# Altium PCB MT-PowerDispatch V1.0.0.PcbDoc (part 4 of 4)
Units mm, origin at the board's own origin, x right, y up, seen from the top; angles counter-clockwise.
Board outline 253.09 x 135 mm, 2 copper layers (Top Layer, Bottom Layer); 539 components, 347 nets, 1633 pads, 620 vias.
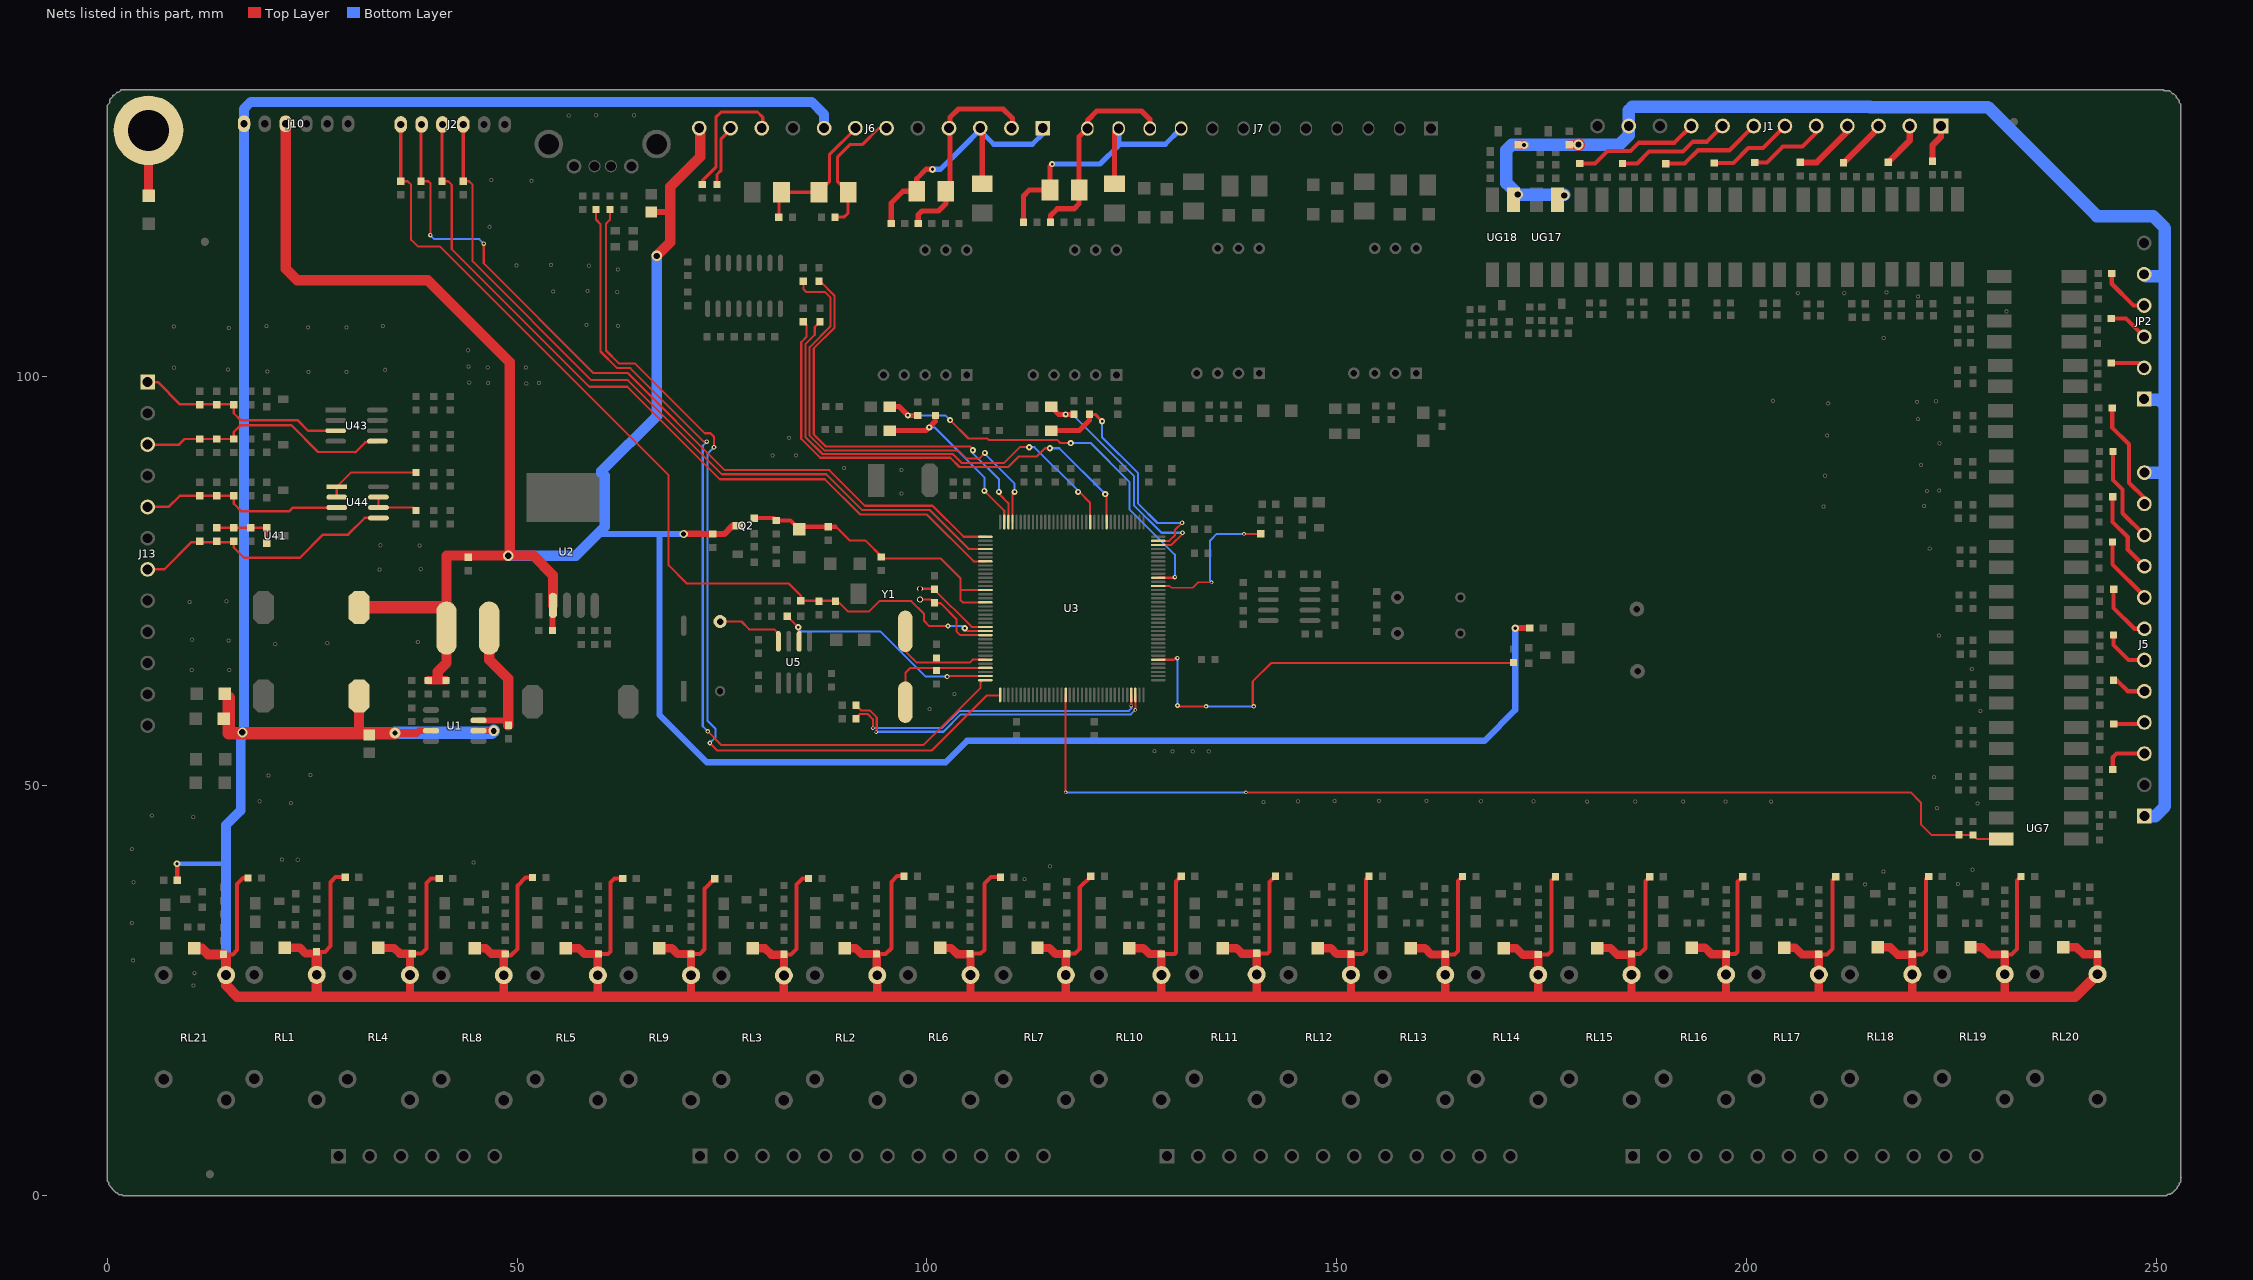
[diagram p4: the nets of this part, all layers, seen from the top]

## Via types
v1: diameter 0.762, hole 0.381, Top Layer to Bottom Layer, 340 vias
v2: diameter 0.762, hole 0.305, Top Layer to Bottom Layer, 95 vias
v3: diameter 0.508, hole 0.254, Top Layer to Bottom Layer, 48 vias
v4: diameter 0.559, hole 0.254, Top Layer to Bottom Layer, 41 vias
v5: diameter 0.406, hole 0.254, Top Layer to Bottom Layer, 24 vias
v6: diameter 0.813, hole 0.381, Top Layer to Bottom Layer, 23 vias
v7: diameter 1.27, hole 0.762, Top Layer to Bottom Layer, 9 vias
v8: diameter 0.457, hole 0.254, Top Layer to Bottom Layer, 9 vias
v9: diameter 0.508, hole 0.305, Top Layer to Bottom Layer, 6 vias
v10: diameter 0.61, hole 0.254, Top Layer to Bottom Layer, 5 vias
v11: diameter 1.016, hole 0.635, Top Layer to Bottom Layer, 3 vias
v12: diameter 0.914, hole 0.406, Top Layer to Bottom Layer, 3 vias
v13: diameter 1.067, hole 0.508, Top Layer to Bottom Layer, 2 vias
v14: diameter 0.61, hole 0.305, Top Layer to Bottom Layer, 2 vias
v15: diameter 1.27, hole 0.711, Top Layer to Bottom Layer, 2 vias
v16: diameter 1.016, hole 0.508, Top Layer to Bottom Layer, 1 vias
v17: diameter 0.559, hole 0.381, Top Layer to Bottom Layer, 1 vias
v18: diameter 0.864, hole 0.381, Top Layer to Bottom Layer, 1 vias
v19: diameter 1.321, hole 0.66, Top Layer to Bottom Layer, 1 vias
v20: diameter 1.397, hole 0.762, Top Layer to Bottom Layer, 1 vias
v21: diameter 1.143, hole 0.635, Top Layer to Bottom Layer, 1 vias
v22: diameter 1.2, hole 0.8, Top Layer to Bottom Layer, 1 vias
v23: diameter 0.92, hole 0.45, Top Layer to Bottom Layer, 1 vias

## Nets (pads, with @x,y where several pads share a name; then routed paths per layer and width w, separated by ;. In a path a pad name is that pad's centre, name@x,y a point inside that pad or via, vN(x,y) a via of type N, cw(c..) or ccw(c..) an arc to the next point about the centre after c; other vN are vias at no path point) (continued)
NetR209_2: R209.2 U44.1 U44.2 | length 11.7
  Top Layer w0.254: U44.2@27.985,85.249 U44.1@27.985,86.519 29.731,88.265 37.639,88.265 R209.2@37.643,88.261
NetR211_1: R211.1 R212.2 R213.2 U41.1 U41.3 | length 8
  Top Layer w0.3: R212.2@13.328,81.506 R213.2@15.405,81.506 R211.1@17.481,81.506 19.43,81.506 U41.1@19.44,81.496 U41.3@19.44,79.591
NetR214_2: R214.2 U44.6 U44.7 | length 6
  Top Layer w0.254: U44.7@33.065,85.249 U44.6@33.065,83.979 37.294,83.979 R214.2@37.643,83.629
NetSW1_2: SW1.2 U5.8 | length 8.7
  Top Layer w0.254: SW1.2@74.758,70.068 77.366,70.068 78.314,69.12 81.362,69.12 81.87,68.612 U5.8@81.87,67.655
nRST: C28.2 J2.1 R21.2 R26.1 R27.2 U3.24 | length 113.3
  Top Layer w0.254: R26.1@35.794,123.793 36.62,123.793 37.064,123.349 37.064,116.657 37.871,115.849 40.557,115.849 68.471,87.935 68.471,76.93 70.694,74.708 83.14,74.708 84.6,73.247 R27.2@84.6,72.608 88.791,72.608 C28.2@88.855,72.545 89.113,72.545 90.379,71.279 92.919,71.279 94.189,72.549 98.082,72.549 99.65,70.981 99.65,70.136 100.285,69.501 v10(102.571,69.501) ; v2(104.603,69.247) 104.94,68.91 U3.24@107.134,68.91
  Top Layer w0.381: R26.1@35.794,123.793 J2.1@35.794,130.734
  Bottom Layer w0.254: v10(102.571,69.501) 104.349,69.501 v2(104.603,69.247)
PE: C154.2 pad.0 | length 8
  Top Layer w1.143: pad.0@5,130 5,122.076 C154.2@5.029,122.047
RTCK1: C45.1 U3.23 Y1.1 | length 9.9
  Top Layer w0.254: Y1.1@99.142,74.073 100.793,74.073 105.456,69.41 U3.23@107.134,69.41
RTCK2: C47.1 U3.25 Y1.2 | length 10.7
  Top Layer w0.254: Y1.2@99.167,72.752 100.463,72.752 100.92,72.295 101.669,72.295 103.587,70.377 103.587,68.866 104.043,68.41 U3.25@107.134,68.41
RUN: R29.1 U3.96 | length 18.6
  Top Layer w0.2: U3.96@128.234,74.41 129.628,74.41 129.845,74.193 132.436,74.193 133.096,74.854 v8(134.747,74.854)
  Top Layer w0.254: v8(138.69,80.772) 138.696,80.766 R29.1@140.722,80.766 R29.1@140.715,80.772
  Bottom Layer w0.254: v8(134.747,74.854) 134.549,75.051 134.549,79.934 135.388,80.772 v8(138.69,80.772)
RUN_BUZZER: R110.2 U3.78 | length 53.5
  Top Layer w0.27: U3.78@128.234,65.41 130.124,65.41 130.322,65.608 v4(130.556,65.608) ; v4(130.581,59.817) 130.683,59.715 v4(134.061,59.715) ; v4@139.954,59.792 139.802,59.792 139.751,59.842 139.751,62.763 142.003,65.016 171.531,65.016 R110.2@171.577,65.062
  Bottom Layer w0.27: v4(130.581,59.817) v4@130.581,65.583 ; v4(134.061,59.715) v4(139.878,59.715) v4@139.954,59.792
SGND: C112.2 C113.2 J1.11 J5.1 J5.12 JP2.1 JP2.5 UG17.3 UG18.3 | length 185.8
  Top Layer w1.016: C113.2@172.141,128.257 172.834,128.257 v16(172.872,128.219) ; C112.2@178.39,128.257 v7@179.514,128.257
  Top Layer w1.524: v7(179.502,128.27) v7@179.514,128.257
  Bottom Layer w1.524: v7@177.775,122.174 v7(172.11,122.174) 170.713,123.571 170.713,127.61 171.374,128.27 v7(179.502,128.27) 184.506,128.27 185.649,129.413 J1.11@185.649,130.531 185.649,132.461 186.08,132.893 215.062,132.893 215.113,132.842 229.464,132.842 242.773,119.532 249.631,119.532 251.079,118.085 251.079,111.735 ; JP2.1@248.539,97.209 248.593,97.155 250.368,97.155 251.079,96.444 ; JP2.5@248.539,112.449 248.796,112.192 250.622,112.192 251.079,111.735 ; J5.1@248.564,46.33 249.911,46.33 251.079,47.498 251.079,96.444 ; J5.12@248.564,88.24 251.054,88.24 251.079,88.265 ; 251.079,96.444 251.079,111.735
  other v7: 177.775,122.072
STOP_TEST: C105.1 R115.2 U3.53 UG7.4 | length 130
  Top Layer w0.254: v5@116.934,49.237 U3.53@116.934,61.11 ; v5@138.929,49.239 v5(138.915,49.225) 220.04,49.225 221.285,47.981 221.285,45.339 222.58,44.044 227.622,44.044 C105.1@227.66,44.005 228.116,43.55 UG7.4@231.085,43.55
  Bottom Layer w0.254: v5(116.922,49.225) v5(138.915,49.225)
sw0: C17.1 L1.1 U1.3 | length 16.4
  Top Layer w0.762: U1.3@45.243,57.995 48.831,57.995
  Top Layer w1.27: L1.1@46.573,69.266 46.573,65.421 48.926,63.068 C17.1@48.926,57.423
TCK: J2.3 R30.1 U3.7 | length 97.1
  Top Layer w0.254: R30.1@40.832,123.793 41.573,123.793 42.017,123.349 42.017,115.514 58.814,98.717 63.436,98.717 74.727,87.427 87.554,87.427 91.846,83.134 99.99,83.134 105.715,77.41 U3.7@107.134,77.41
  Top Layer w0.381: R30.1@40.832,123.793 40.832,130.692 J2.3@40.874,130.734
TDO: J2.2 R137.1 U3.1 | length 99
  Top Layer w0.254: R137.1@38.25,123.793 39.16,123.793 39.395,123.558 v4(39.395,117.221) ; v4(45.923,116.18) 45.923,113.767 59.296,100.393 63.487,100.393 75.336,88.544 88.087,88.544 92.431,84.201 100.686,84.201 104.477,80.41 U3.1@107.134,80.41
  Top Layer w0.381: R137.1@38.25,123.793 38.25,130.649 J2.2@38.334,130.734
  Bottom Layer w0.254: v4(39.395,117.221) 39.878,116.738 45.364,116.738 v4(45.923,116.18)
TEMP_C: C140.2 J13.1 R197.1 R198.1 U43.3 | length 26
  Top Layer w0.3: J13.1@4.902,99.289 6.147,99.289 8.865,96.571 15.351,96.571 R198.1@15.405,96.517 15.405,95.479 16.243,94.64 23.19,94.64 24.479,93.351 U43.3@27.858,93.351
TEMP_D: C142.2 J13.3 R202.1 R203.1 U43.5 | length 31.4
  Top Layer w0.3: J13.3@4.902,91.669 8.738,91.669 9.409,92.34 R202.1@13.328,92.34 R203.1@15.405,92.34 15.405,93.18 16.231,94.005 17.07,94.005 17.095,94.031 22.428,94.031 25.705,90.754 30.226,90.754 30.251,90.729 31.471,91.948 32.804,91.948 U43.5@32.938,92.081
TEMP_E: C146.2 J13.5 R207.1 R208.1 U44.3 | length 25.2
  Top Layer w0.3: J13.5@4.902,84.049 7.468,84.049 8.826,85.407 C146.2@11.252,85.407 15.404,85.407 R208.1@15.405,85.409 15.405,84.468 16.358,83.515 22.168,83.515 22.631,83.979 U44.3@27.985,83.979
TEMP_F: C147.2 J13.7 R212.1 R213.1 U44.5 | length 32.9
  Top Layer w0.3: J13.7@4.902,76.429 6.934,76.429 10.262,79.756 15.306,79.756 R213.1@15.405,79.855 15.405,79.109 16.662,77.851 23.495,77.851 26.314,80.67 29.362,80.67 31.401,82.709 U44.5@33.065,82.709
TMS: J2.4 R31.1 U3.4 | length 94.7
  Top Layer w0.254: R31.1@43.414,123.793 44.113,123.793 44.557,123.349 44.557,114.015 59.042,99.53 63.487,99.53 74.981,88.036 87.732,88.036 92.1,83.668 100.381,83.668 105.138,78.91 U3.4@107.134,78.91
  Top Layer w0.381: R31.1@43.414,123.793 J2.4@43.414,130.734
U0-RX: J6.11 R138.2 | length 7.6
  Top Layer w0.381: R138.2@74.377,123.412 74.377,124.619 74.885,125.127 74.885,128.964 J6.11@76.155,130.234
U0-RXD: R40.1 U3.142 | length 51.6
  Top Layer w0.254: R40.1@86.823,111.601 86.97,111.601 88.728,109.843 88.728,105.938 86.188,103.398 86.188,92.898 87.665,91.421 105.289,91.421 105.619,91.091 v2(105.619,90.964) ; v2(108.794,85.884) 108.794,85.64 109.937,84.497 109.937,82.213 U3.142@109.934,82.21
  Bottom Layer w0.254: v2(105.619,90.964) 105.619,90.837 105.492,90.71 108.794,87.408 v2(108.794,85.884)
U0-TX: J6.10 R139.2 | length 16.5
  Top Layer w0.381: R139.2@72.599,123.412 72.599,123.857 74.25,125.508 74.25,131.604 74.885,132.239 79.33,132.239 79.965,131.604 J6.10@79.965,130.234
U0-TXD: R43.1 U3.141 | length 55.6
  Top Layer w0.254: R43.1@84.918,111.601 84.918,110.649 85.299,110.268 87.585,110.268 88.22,109.633 88.22,106.077 85.68,103.537 85.68,92.76 87.476,90.964 103.841,90.964 104.857,89.948 106.376,89.948 107.074,90.646 v2(107.079,90.646) ; U3.141@110.434,82.21 110.464,82.24 110.464,85.649 v2(110.699,85.884)
  Bottom Layer w0.254: v2(107.079,90.646) 107.016,90.583 110.699,86.9 v2(110.699,85.884)
U1-RX: J6.7 R37.2 TVS6.2 TVS8.2 | length 17.3
  Top Layer w0.381: R37.2@81.933,119.412 81.933,121.761 82.632,122.46 86.819,122.46 TVS8.2@86.825,122.454 88.093,123.721 88.093,127.032 91.295,130.234 J6.7@91.395,130.234
U1-TX: J6.6 R45.2 TVS8.1 | length 16.7
  Top Layer w0.381: R45.2@88.791,119.412 89.871,119.412 90.381,119.922 TVS8.1@90.381,122.454 89.109,123.726 89.109,126.778 90.633,128.302 92.157,128.302 94.089,130.234 J6.6@95.205,130.234
U1_RXD: D5.2 R34.1 U3.106 | length 29
  Top Layer w0.254: U3.106@128.234,79.41 129.809,79.41 v4@131.14,80.741
  Top Layer w0.635: D5.2@115.144,96.298 116.096,95.345 v2(116.922,95.345) R34.1@117.938,95.345
  Bottom Layer w0.254: v2(116.922,95.345) 117.747,95.345 125.247,87.845 125.247,84.277 128.626,80.899 v4(131.191,80.899)
U1_TXD: D6.2 R32.1 U3.107 | length 30.2
  Top Layer w0.254: U3.107@128.234,79.91 129.573,79.91 130.277,80.614 130.277,81.255 v4(131.14,82.118)
  Top Layer w0.381: R32.1@119.843,95.345 120.541,95.345 v2(121.367,94.52)
  Top Layer w0.635: D6.2@115.146,93.368 118.581,93.368 119.843,94.63 R32.1@119.843,95.345
  Bottom Layer w0.254: v2(121.367,94.52) 121.367,93.25 121.367,92.558 125.781,88.144 125.781,84.455 128.143,82.093 131.115,82.093 v4(131.14,82.118)
U2_RXD: R141.2 U3.70 | length 39.6
  Top Layer w0.254: R141.2@91.331,59.849 91.947,59.233 93.02,59.233 93.877,58.376 93.877,56.635 v5(93.808,56.566) ; v5(125.434,59.287) U3.70@125.434,61.11
  Bottom Layer w0.254: v5(93.808,56.566) 93.859,56.617 102.017,56.617 104.144,58.744 124.891,58.744 v5(125.434,59.287)
U2_TXD: R140.2 U3.69 | length 38.1
  Top Layer w0.254: R140.2@91.331,58.198 91.204,58.198 91.807,58.801 92.741,58.801 93.395,58.147 v5(93.395,57.055) ; v5(124.934,59.806) U3.69@124.934,61.11
  Bottom Layer w0.254: v5(93.395,57.055) 95.713,57.055 101.809,57.055 103.91,59.157 124.618,59.157 124.934,59.472 v5(124.934,59.806)
U3_485A: J6.2 J6.4 R11.2 TVS2.2 | length 25.5
  Top Layer w0.635: R11.2@98.951,118.65 98.951,119.729 99.396,120.174 101.428,120.174 102.317,121.063 TVS2.2@102.317,122.587 102.825,123.095 102.825,130.234 102.825,131.604 103.841,132.62 109.302,132.62 110.445,131.477 J6.2@110.445,130.234
U3_485B: J6.1 J6.3 R14.2 TVS1.2 TVS2.1 | length 34.7
  Top Layer w0.635: R14.2@95.649,118.65 95.649,121.126 97.11,122.587 TVS2.1@98.761,122.587 98.761,124.111 99.904,125.254 v18(100.666,125.254) ; J6.3@106.635,130.234 106.755,130.113 TVS1.2@106.755,123.474
  Bottom Layer w0.635: v18(100.666,125.254) 101.655,125.254 104.322,127.921 106.635,130.234 106.635,129.826 108.159,128.302 112.858,128.302 114.255,129.699 J6.1@114.255,130.234
U3_RXD: R42.1 U3.122 | length 57.1
  Top Layer w0.254: R42.1@86.95,106.648 86.315,106.013 86.315,105.061 85.172,103.918 85.172,92.592 87.257,90.507 103.155,90.507 104.273,89.389 109.379,89.389 111.335,91.345 v2(112.477,91.345) ; v2(118.446,85.884) 118.573,85.884 119.904,84.553 119.904,82.24 U3.122@119.934,82.21
  Bottom Layer w0.254: v2(112.477,91.345) 113.112,91.345 118.573,85.884 v2(118.446,85.884)
U3_TXD: R44.1 U3.118 | length 60
  Top Layer w0.254: R44.1@84.918,106.648 85.299,106.267 85.299,104.807 84.664,104.172 84.664,92.361 86.975,90.05 102.85,90.05 103.968,88.932 109.914,88.932 111.184,90.202 113.391,90.202 114.407,91.218 v2(115.017,91.218) ; v2(121.748,85.63) 121.904,85.474 121.904,82.24 U3.118@121.934,82.21
  Bottom Layer w0.254: v2(115.017,91.218) 116.16,91.218 v2(121.748,85.63)
U4_485A: J7.10 J7.12 R28.2 TVS4.2 | length 25.1
  Top Layer w0.635: R28.2@115.08,118.777 115.08,119.602 115.906,120.428 117.938,120.428 118.571,121.061 TVS4.2@118.571,122.72 118.571,129.216 J7.12@119.589,130.234 119.589,131.223 120.732,132.366 126.193,132.366 127.209,131.35 J7.10@127.209,130.234
U4_485B: J7.9 J7.11 R35.2 TVS3.2 TVS4.1 | length 36.7
  Top Layer w0.635: R35.2@111.778,118.777 111.778,122.015 112.483,122.72 TVS4.1@115.015,122.72 115.015,125.633 v2(115.271,125.889) ; TVS3.2@122.884,123.474 122.884,129.72 J7.11@123.399,130.234
  Bottom Layer w0.635: v2(115.271,125.889) 121.113,125.889 123.399,128.175 123.399,128.556 ; J7.11@123.399,130.234 123.399,128.556 ; J7.9@131.019,130.234 129.087,128.302 123.653,128.302 123.399,128.556
U4_RXD: D3.2 R13.1 U3.98 | length 50.2
  Top Layer w0.254: v2(102.825,94.647) 105.069,92.403 107.366,92.403 107.535,92.234 115.906,92.234 116.287,91.853 v2(117.557,91.853) ; U3.98@128.234,75.41 130.172,75.41 v4(130.251,75.489)
  Top Layer w0.635: D3.2@95.459,96.298 96.602,96.298 v2(97.681,95.218) R13.1@98.888,95.218
  Bottom Layer w0.254: v2(97.681,95.218) 102.253,95.218 v2(102.825,94.647) ; v2(117.557,91.853) 119.97,91.853 124.707,87.115 124.707,83.776 130.251,78.232 v4(130.251,75.489)
U4_TXD: D4.2 R12.1 U3.143 | length 22.5
  Top Layer w0.254: 101.047,94.52 R12.1@101.047,95.218 ; v2(107.016,86.011) 109.434,83.593 U3.143@109.434,82.21
  Top Layer w0.635: D4.2@95.461,93.368 99.895,93.368 v2(100.285,93.758) 101.047,94.52
  Bottom Layer w0.254: v2(100.285,93.758) 100.92,93.758 107.016,87.662 v2(107.016,86.011)
USBD2+: R217.2 U3.36 | length 109.2
  Top Layer w0.254: R217.2@59.614,120.358 59.614,119.126 60.173,118.567 60.173,103.022 62.205,100.99 63.805,100.99 72.771,92.024 v4(73.127,92.024) ; v4(73.254,56.667) 74.93,54.991 99.568,54.991 106.553,61.976 106.553,62.687 106.776,62.91 U3.36@107.134,62.91
  Bottom Layer w0.254: v4(73.127,92.024) 72.644,91.542 72.644,57.277 v4(73.254,56.667)
USBD2-: R216.2 U3.37 | length 112
  Top Layer w0.254: R216.2@61.316,120.358 61.316,119.101 60.833,118.618 60.833,103.149 62.408,101.575 64.364,101.575 72.898,93.04 73.584,93.04 74.016,92.608 v4(74.016,91.338) ; v4(73.508,55.245) 74.422,54.331 100.609,54.331 107.315,61.036 108.86,61.036 U3.37@108.934,61.11
  Bottom Layer w0.254: v4(73.508,55.245) 74.219,55.956 74.219,56.972 74.193,56.972 73.228,57.937 73.228,90.551 v4(74.016,91.338)
VA3.3: C42.1 C43.1 C44.1 Q2.3 R57.2 U3.14 U3.17 | length 37.3
  Top Layer w0.254: 88.855,81.629 88.906,81.629 90.558,79.978 92.475,79.978 94.697,77.756 101.682,77.756 104.095,75.343 104.095,73.819 ; U3.17@107.134,72.41 104.361,72.41 104.095,72.676 104.095,73.819 ; U3.14@107.134,73.91 104.186,73.91 104.095,73.819
  Top Layer w0.508: Q2.3@78.949,82.696 81.311,82.696 R57.2@81.616,82.391 83.33,82.391 C44.1@84.41,81.312 84.727,81.629 C42.1@87.966,81.629 88.855,81.629
VDD5V: C19.2 C20.2 DC2.1 F1.1 J6.12 J10.3 L1.2 Q2.2 R2.1 R4.1 R55.2 R220.2 U2.2 | length 352.3
  Top Layer w0.762: R2.1@54.298,68.961 54.298,71.966 U2.2@54.365,72.033 ; F1.1@66.345,120.04 68.662,120.04 68.687,120.015 ; v11(70.307,80.747) 70.307,80.772 72.446,80.772 72.478,80.74 R55.2@73.869,80.74 75.26,80.74 76.276,81.757 Q2.2@76.917,81.757 ; v23(171.806,69.24) 171.856,69.291 R220.2@173.546,69.291
  Top Layer w1.016: C19.2@39.147,62.884 R4.1@41.306,62.884
  Top Layer w1.27: J10.3@21.742,130.81 21.742,113.132 23.139,111.735 39.065,111.735 49.078,101.721 49.078,78.283 v7@48.927,78.131 ; 40.315,63.449 40.315,63.957 41.373,65.015 L1.2@41.373,69.266 41.373,72.111 41.373,78.097 ; 41.407,78.131 v7@48.927,78.131 ; v7(48.901,78.105) v7@48.927,78.131 ; U2.2@54.365,72.033 54.365,75.714 51.948,78.131 v7@48.927,78.131 ; v7(67.031,114.681) 68.687,116.338 68.687,120.015 68.687,123.139 72.345,126.797 J6.12@72.345,130.234
  Top Layer w1.524: DC2.1@30.708,71.781 41.044,71.781 L1.2@41.373,72.111
  Bottom Layer w0.762: 60.071,81.026 60.35,80.747 67.361,80.747 ; v11(70.307,80.747) 67.361,80.747 ; v23(171.806,69.24) 171.806,59.284 168.046,55.524 104.902,55.524 102.286,52.908 73.127,52.908 67.361,58.674 67.361,80.747
  Bottom Layer w1.27: v7(48.901,78.105) 57.15,78.105 60.071,81.026 60.668,81.623 60.668,87.854 60.274,88.248 60.274,88.392 67.069,95.186 67.031,95.225 v7(67.031,114.681)
VDD12V: C18.2 C49.1 C50.1 C51.2 C52.2 C58.1 C59.1 C60.2 C79.1 C84.2 C85.2 C86.2 C93.1 C95.2 C106.2 C107.2 C124.2 C125.2 C127.2 C128.2 C131.2 C148.2 D1.2 D2.2 D12.2 D13.2 D14.2 D15.2 D16.2 D17.2 D18.2 D19.2 D20.2 D21.2 D22.2 D23.2 D24.2 D25.2 D26.2 D27.2 D28.2 D29.2 D30.2 D31.2 D32.2 DC1.1 J6.8 J10.1 R60.2 R61.2 R62.2 R63.2 R64.2 R81.2 R93.2 R94.2 R95.2 R96.2 R121.2 R122.2 R131.2 R132.2 R135.2 R143.2 R147.2 R155.2 R158.2 R161.2 R221.2 RL1.2 RL2.2 RL3.2 RL4.2 RL5.2 RL6.2 RL7.2 RL8.2 RL9.2 RL10.2 RL11.2 RL12.2 RL13.2 RL14.2 RL15.2 RL16.2 RL17.2 RL18.2 RL19.2 RL20.2 RL21.2 U1.2 U1.7 | length 887.4
  Top Layer w0.5: C148.2@14.148,29.451 15.303,29.451 15.824,29.972 15.824,38.049 16.542,38.767 R60.2@17.151,38.767 ; C49.1@25.507,29.756 26.53,29.756 27.229,30.455 27.229,38.252 27.845,38.869 R62.2@29,38.869 ; C52.2@37.191,29.534 38.297,29.534 38.913,30.15 38.913,38.151 39.478,38.716 R96.2@40.481,38.716 ; C86.2@48.362,29.325 49.213,29.325 50.013,30.124 50.013,37.821 51.035,38.843 R93.2@51.86,38.843 ; C79.1@59.924,29.509 61.081,29.509 61.366,29.794 61.366,38.227 61.856,38.716 R121.2@62.883,38.716 ; C106.2@71.202,29.509 72.308,29.509 72.873,30.074 72.873,37.453 R63.2@74.11,38.691 ; C51.2@82.556,29.413 83.394,29.413 84.074,30.093 84.074,37.973 84.817,38.716 R61.2@85.54,38.716 ; C50.1@93.859,29.509 94.964,29.509 95.656,30.201 95.656,38.278 96.374,38.996 R94.2@97.199,38.996 ; C84.2@105.263,29.534 106.547,29.534 107.01,29.997 107.01,38.075 107.804,38.869 R95.2@108.984,38.869 ; C85.2@117.049,29.534 118.078,29.534 118.643,30.099 118.643,37.606 R122.2@120.008,38.97 ; C107.2@128.58,29.509 130.245,29.509 130.404,29.667 130.404,38.361 R131.2@131.032,38.989 ; C93.1@140.239,29.578 141.567,29.578 141.808,29.82 141.808,38.259 R132.2@142.538,38.989 ; C95.2@151.745,29.477 153.149,29.477 153.568,29.896 153.568,38.615 R64.2@153.942,38.989 ; C128.2@163.251,29.451 164.376,29.451 164.795,29.87 164.795,38.412 R135.2@165.347,38.964 ; C127.2@174.605,29.426 175.781,29.426 176.225,29.87 176.225,38.463 R143.2@176.701,38.938 ; C59.1@185.984,29.502 186.982,29.502 187.681,30.201 187.681,38.412 R81.2@188.207,38.938 ; C125.2@197.541,29.477 198.641,29.477 198.933,29.769 198.933,38.31 R147.2@199.561,38.938 ; C124.2@208.844,29.451 209.842,29.451 210.49,30.099 210.49,38.513 R155.2@210.915,38.938 ; C58.1@220.249,29.451 221.424,29.451 221.92,29.947 221.92,38.64 R158.2@222.243,38.964 ; C131.2@231.527,29.451 232.372,29.451 233.045,30.124 233.045,38.488 R161.2@233.521,38.964
  Top Layer w0.508: v6(8.484,40.513) 8.522,40.475 R221.2@8.522,38.506
  Top Layer w0.762: 37.699,56.471 37.972,56.744 U1.7@39.473,56.744 ; U1.2@45.273,56.744 47.129,56.744 v15(47.148,56.725)
  Top Layer w1: v19(35.083,56.471) 37.699,56.471
  Top Layer w1.016: D12.2@21.659,30.258 23.469,30.258 24.167,29.559 C49.1@25.533,29.559 ; 26.702,56.464 26.702,56.49 ; D15.2@33.064,30.233 34.975,30.233 35.673,29.534 C52.2@37.191,29.534 ; 36.909,24.33 RL4.2@36.909,26.931 C52.2@36.909,29.252 ; D20.2@44.799,30.207 46.151,30.207 46.849,29.509 C86.2@48.545,29.509 48.362,29.325 RL8.2@48.362,26.905 48.362,24.313 ; D17.2@55.924,30.207 57.505,30.207 58.222,29.489 C79.1@59.905,29.489 ; 59.84,24.426 RL5.2@59.84,26.905 C79.1@59.84,29.424 ; D21.2@67.328,30.207 68.858,30.207 69.576,29.489 C106.2@71.202,29.489 ; RL9.2@71.202,26.919 C106.2@71.202,29.489 ; C106.2@71.202,29.509 C106.2@71.202,29.489 ; 71.216,24.424 RL9.2@71.216,26.905 ; D14.2@78.746,30.182 80.238,30.182 81.006,29.413 82.556,29.413 RL3.2@82.556,26.894 ; 82.541,24.37 RL3.2@82.541,26.88 ; D13.2@89.985,30.207 91.287,30.207 92.004,29.489 C50.1@93.859,29.489 ; RL2.2@93.859,26.99 C50.1@93.859,29.489 ; C50.1@93.859,29.509 C50.1@93.859,29.489 ; 93.943,24.316 RL2.2@93.943,26.905 ; D18.2@101.644,30.233 102.945,30.233 103.714,29.464 C84.2@105.263,29.464 ; 105.32,24.364 RL6.2@105.32,26.931 C84.2@105.32,29.478 ; D19.2@113.493,30.233 114.959,30.233 115.703,29.489 117.004,29.489 C85.2@117.049,29.534 ; 116.95,24.412 RL7.2@116.95,26.931 C85.2@116.95,29.435 ; D22.2@124.707,30.207 126.415,30.207 127.133,29.489 128.561,29.489 C107.2@128.58,29.509 ; 128.606,24.308 RL10.2@128.606,26.931 C107.2@128.606,29.483 ; D23.2@136.111,30.207 137.769,30.207 138.436,29.54 C93.1@140.239,29.54 ; 140.239,24.409 RL11.2@140.239,26.981 C93.1@140.239,29.54 ; C93.1@140.239,29.578 C93.1@140.239,29.54 ; D16.2@147.668,30.201 149.281,30.201 149.993,29.489 151.733,29.489 C95.2@151.745,29.477 RL12.2@151.745,26.956 151.745,24.359 ; D24.2@159.022,30.201 160.762,30.201 161.524,29.439 C128.2@163.251,29.439 ; 163.251,24.282 RL13.2@163.251,26.956 C128.2@163.251,29.439 ; C128.2@163.251,29.451 C128.2@163.251,29.439 ; D25.2@170.401,30.201 171.913,30.201 172.726,29.388 C127.2@174.605,29.388 ; 174.605,24.308 RL14.2@174.605,26.956 C127.2@174.605,29.388 ; C127.2@174.605,29.426 C127.2@174.605,29.388 ; D26.2@181.806,30.226 183.419,30.226 184.232,29.413 C59.1@185.984,29.413 ; 185.984,24.333 RL15.2@185.984,26.956 C59.1@185.984,29.413 ; C59.1@185.984,29.502 C59.1@185.984,29.413 ; D27.2@193.338,30.277 194.925,30.277 195.738,29.464 197.529,29.464 C125.2@197.541,29.477 ; 197.516,24.562 RL16.2@197.516,26.981 C125.2@197.516,29.451 ; D28.2@204.641,30.277 205.949,30.277 206.787,29.439 C124.2@208.844,29.439 ; 208.844,24.359 RL17.2@208.844,26.981 C124.2@208.844,29.439 ; C124.2@208.844,29.451 C124.2@208.844,29.439 ; D29.2@216.02,30.302 217.557,30.302 218.446,29.413 C58.1@220.249,29.413 ; 220.249,24.333 RL18.2@220.249,27.007 C58.1@220.249,29.413 ; C58.1@220.249,29.451 C58.1@220.249,29.413 ; D30.2@227.348,30.302 228.783,30.302 229.647,29.439 C131.2@231.527,29.439 ; 231.527,24.359 RL19.2@231.527,27.032 C131.2@231.527,29.439 ; C131.2@231.527,29.451 C131.2@231.527,29.439 ; D31.2@238.651,30.302 240.315,30.302 241.141,29.477 C60.2@242.855,29.477 RL20.2@242.855,27.032
  Top Layer w1.2: D32.2@10.604,30.175 11.532,30.175 12.255,29.451 C148.2@14.148,29.451 14.478,29.121 RL21.2@14.478,26.924 ; DC1.1@30.708,60.986 30.708,56.49 30.734,56.464
  Top Layer w1.27: RL21.2@14.478,26.924 14.478,25.654 15.85,24.282 25.654,24.282 ; C49.1@25.533,29.559 RL1.2@25.533,26.956 25.533,24.404 25.654,24.282 ; RL20.2@242.855,27.032 240.105,24.282 163.251,24.282 25.654,24.282
  Top Layer w1.524: D1.2@14.782,60.795 14.782,56.464 26.702,56.464 30.734,56.464 v19@35.076,56.464
  Bottom Layer w0.508: v6(8.484,40.513) 14.478,40.513
  Bottom Layer w1.2: RL21.2@14.478,26.924 14.478,40.513 14.478,45.237 16.256,47.015 16.256,55.88 16.84,56.464 16.815,56.464 16.662,56.617 J10.1@16.662,130.81 16.662,132.639 17.475,133.452 21.615,133.452 21.641,133.477 85.954,133.477 87.458,131.973 J6.8@87.458,130.277
  Bottom Layer w1.524: v19(35.083,56.471) 46.894,56.471 v15(47.148,56.725)
  other v22: 16.459,56.54
WDI: R19.2 U3.35 U5.6 | length 29
  Top Layer w0.254: R19.2@82.949,70.703 84.41,69.243 U5.6@84.41,67.655 ; v14@102.532,63.41 U3.35@107.134,63.41
  Bottom Layer w0.254: v2(84.283,69.374) 84.283,69.247 84.664,68.866 94.316,68.866 99.834,63.348 v14(102.469,63.348)
XTAL1: C46.1 U3.31 Y2.2 | length 13.7
  Top Layer w0.254: Y2.2@97.364,69.12 Y2.2@97.364,68.866 97.364,66.453 98.407,65.41 98.761,65.056 101.174,65.056 ; C46.1@101.174,65.627 101.174,65.056 ; U3.31@107.134,65.41 105.592,65.41 105.238,65.056 101.174,65.056
XTAL2: C48.1 U3.33 Y2.1 | length 13.4
  Top Layer w0.254: Y2.1@97.364,60.484 97.364,63.786 97.999,64.421 101.174,64.421 101.174,64.357 101.226,64.41 U3.33@107.134,64.41
Y1-in: J5.3 R71.1 | length 5.5
  Top Layer w0.508: R71.1@244.716,52.019 244.716,53.505 245.161,53.95 J5.3@248.564,53.95
Y2-in: J5.4 R72.1 | length 3.8
  Top Layer w0.508: R72.1@244.843,57.556 248.361,57.556 J5.4@248.564,57.76
Y3-in: J5.5 R89.1 | length 4.3
  Top Layer w0.508: R89.1@244.792,62.916 245.186,62.916 246.532,61.57 J5.5@248.564,61.57
Y4-in: J5.6 R90.1 | length 5.8
  Top Layer w0.508: R90.1@244.792,68.428 244.792,67.196 246.609,65.38 J5.6@248.564,65.38
Y5-in: J5.7 R117.1 | length 7.1
  Top Layer w0.508: R117.1@244.818,74.016 244.818,71.717 247.345,69.19 J5.7@248.564,69.19
Y6-in: J5.8 R118.1 | length 8.4
  Top Layer w0.508: R118.1@244.665,79.781 244.665,77.051 248.564,73.152 J5.8@248.564,73
Y7-IN: J5.9 R129.1 | length 10.1
  Top Layer w0.508: R129.1@244.691,85.293 244.691,82.233 246.532,80.391 246.532,78.842 J5.9@248.564,76.81
Y8-IN: J5.10 R127.1 | length 11.8
  Top Layer w0.508: R127.1@244.742,90.805 244.742,87.694 244.754,87.681 244.754,87.325 245.897,86.182 245.897,83.287 J5.10@248.564,80.62
Y9-IN: J5.11 R128.1 | length 13.3
  Top Layer w0.508: R128.1@244.64,96.114 244.64,93.764 246.697,91.707 246.697,87.008 248.564,85.141 J5.11@248.564,84.43
Y10-IN: JP2.2 R103.1 | length 4.3
  Top Layer w0.508: R103.1@244.538,101.625 247.933,101.625 JP2.2@248.539,101.019
Y11-IN: JP2.3 R105.1 | length 4.9
  Top Layer w0.508: R105.1@244.513,107.036 246.332,107.036 JP2.3@248.539,104.829
Y12-IN: J1.6 R142.1 | length 10.5
  Top Layer w0.508: R142.1@196.088,126.022 198.412,126.022 200.228,127.838 202.006,127.838 J1.6@204.699,130.531
Y13-IN: J1.7 R152.1 | length 12.6
  Top Layer w0.508: R152.1@190.17,125.946 192.469,125.946 194.107,127.584 197.942,127.584 J1.7@200.889,130.531
Y14-IN: J1.8 R153.1 | length 14.1
  Top Layer w0.508: R153.1@184.887,125.971 186.677,125.971 188.112,127.406 192.278,127.406 193.497,128.626 195.174,128.626 J1.8@197.079,130.531
Y15-IN: J1.9 R154.1 | length 15.5
  Top Layer w0.5: R154.1@179.68,125.971 181.546,125.971 183.058,127.483 185.877,127.483 186.893,128.499 191.237,128.499 J1.9@193.269,130.531
Y16-IN: J1.5 R188.1 | length 9.8
  Top Layer w0.508: R188.1@201.016,126.073 202.501,126.073 204.445,128.016 206.858,128.016 208.509,129.667 J1.5@208.509,130.531
Y17-IN: J1.4 R190.1 | length 8
  Top Layer w0.762: R190.1@206.578,126.098 208.597,126.098 212.319,129.819 J1.4@212.319,130.531
Y18-IN: J1.3 R192.1 | length 6.3
  Top Layer w0.762: R192.1@211.861,126.047 216.129,130.315 J1.3@216.129,130.531
Y19-IN: J1.1 R224.1 | length 4.7
  Top Layer w0.762: R224.1@222.707,126.225 222.707,128.194 223.749,129.235 J1.1@223.749,130.531
Y20-IN: JP2.4 R226.1 | length 6.3
  Top Layer w0.508: R226.1@244.589,112.547 244.589,111.29 247.24,108.639 JP2.4@248.539,108.639
Y21-IN: J1.2 R194.1 | length 5.5
  Top Layer w0.762: R194.1@217.297,126.124 219.939,128.765 J1.2@219.939,130.531
pads on no net: J12.5 J13.9 J13.10 MAKE1.1 MARKE1.1 MARKE3.1 U1.8 U3.2 U3.3 U3.5 U3.6 U3.9 U3.12 U3.16 U3.19 U3.20 U3.21 U3.26 U3.32 U3.34 U3.66 U3.67 U3.81 U3.88 U3.101 U3.115 U3.116 U3.120 U3.123 U3.124 U3.125 U3.126 U3.127 U3.128 U3.129 U3.131 U3.132 U3.133 U3.135 U3.136 U3.137 U3.140 U3.144 U5.5 Y1.3
copper on no net:
  other v1: 83.749,126.136

## Polygon pours and split planes (outlines as drawn)
DGND on Top Layer "Top Layer-No Net" (solid, remove dead copper, pour order 6): 15.672,134.112 98.527,134.112 99.263,133.375 99.263,129.311 98.679,128.727 97.587,127.635 93.929,127.635 92.735,127.635 92.278,127.178 91.288,126.187 91.288,123.19 91.288,119.583 89.687,117.983 89.713,117.958 89.713,113.284 89.713,102.413 90.83,101.295 92.735,101.295 162.154,101.295 164.414,103.556 164.592,103.734 164.592,109.652 164.592,109.677 166.776,111.862 166.802,111.887 166.802,113.36 166.802,113.411 167.792,114.402 167.869,114.478 172.136,114.478 231.191,114.478 232.334,113.335 232.639,113.03 232.639,112.954 232.639,41.631 233.35,40.919 233.502,40.767 235.001,40.767 236.423,40.767 237.312,39.878 237.338,39.878 241.452,39.878 241.681,39.649 244.094,37.236 244.094,36.728 244.094,24.994 242.595,23.495 242.443,23.343 241.249,23.343 6.35,23.343 1.778,27.915 1.778,40.183 1.778,118.516 2.337,119.075 6.02,119.075 11.176,119.075 12.878,120.777 12.903,120.802 12.903,132.309 12.903,132.41 14.58,134.087 14.605,134.112 15.596,134.112
DGND on Bottom Layer "Top Layer-No Net" (solid, remove dead copper, pour order 4): 12.903,130.251 12.903,132.41 13.894,133.401 14.605,134.112 21.412,134.112 98.552,134.112 99.289,133.375 99.238,133.325 99.238,129.921 99.238,129.311 98.476,128.549 97.587,127.66 93.015,127.66 92.786,127.66 91.796,126.67 91.338,126.213 91.338,121.437 91.338,119.634 89.738,118.034 89.687,117.983 89.687,114.3 89.687,102.438 90.78,101.346 90.856,101.27 97.714,101.27 162.154,101.27 163.779,102.895 164.389,103.505 164.389,109.347 164.389,109.525 165.862,110.998 166.776,111.912 166.776,113.157 166.776,113.411 167.716,114.351 167.843,114.478 181.508,114.478 227.051,114.478 227.076,114.503 230.607,114.503 231.14,114.503 232.588,113.055 232.639,113.005 232.639,103.937 232.639,43.561 232.664,43.536 232.664,41.707 232.664,41.605 233.35,40.919 233.477,40.792 236.017,40.792 236.449,40.792 237.058,40.183 237.363,39.878 240.589,39.878 241.275,39.878 242.113,39.04 242.799,38.354 242.799,38.329 243.51,37.617 244.069,37.059 244.069,34.62 244.069,25.019 243.281,24.232 242.367,23.317 240.513,23.317 6.299,23.317 3.277,26.34 1.778,27.838 1.778,40.919 1.778,118.542 2.134,118.897 2.337,119.101 3.581,119.101 7.137,119.101 11.151,119.101 12.903,120.853 12.903,130.2

## Keep-outs
Keep-Out Layer:
  circle w0.254: c248,130 r2.5
  circle w0.254: c248,5 r2.5
  circle w0.254: c5,5 r2.5
  lines w0.254: -0.025,2.413 ccw(c2.413,2.413) 2.413,-0.025 8.464,-0.025 250.584,-0.025 ccw(c250.584,2.403) 253.012,2.403 ; 0,2.413 0,132.588 ; 0.025,132.588 cw(c2.413,132.588) 2.413,134.976 8.413,134.976 250.628,134.976 cw(c250.628,132.591) 253.013,132.591 ; 253,2.403 253,132.591

## Other copper
Top Layer:
  rectangle net DGND: 91.262,86.182 92.024,88.748
  rectangle net DGND: 114.173,38.63 115.657,39.929
  rectangle net DGND: 102.667,38.427 104.1,40.005

## Silkscreen, mask and mechanical layers (free items; w line width, h text height)
Top Overlay:
  circle w0.254: c248,5 r5
  circle w0.254: c5,5 r5
  circle w0.254: c248,130 r5
  circle w0.254: c5,130 r5
  lines w0.254: 6.604,86.97 6.604,92.659 ; 6.629,79.299 6.629,85.014 ; 6.629,94.717 6.629,100.228 ; 6.706,71.476 6.706,77.546
  text "12" at 15.443,127.787 h1.2
  text "G" at 18.186,127.762 h1.2
  text "5V" at 20.828,127.737 h1.2
  text "TX" at 23.292,127.711 h1.2
  text "RX" at 25.502,127.711 h1.2
  text "G" at 28.575,127.711 h1.2
  text "YEL" at 179.984,127.635 h1.5
  text "DI20" at 195.504,127.635 h1.5
  text "DI16" at 210.566,127.635 h1.5
  text "DI15" at 214.325,127.635 h1.5
  text "DI14" at 218.237,127.635 h1.5
  text "DI13" at 222.047,127.635 h1.5
  text "COM" at 183.871,127.61 h1.5
  text "RED" at 187.757,127.61 h1.5
  text "IN2" at 191.44,127.61 h1.5
  text "DI19" at 199.136,127.61 h1.5
  text "DI17" at 206.68,127.61 h1.5
  text "DI18" at 202.743,127.584 h1.5
  text "G" at 46.589,127.032 h1.2 r90
  text "G" at 82.448,126.873 h2
  text "12" at 86.081,126.848 h2
  text "RX2" at 89.789,126.848 h2
  text "TX2" at 93.294,126.848 h2
  text "G" at 97.434,126.822 h2
  text "TX1" at 78.187,126.778 h2
  text "A2" at 101.448,126.771 h2
  text "A2" at 109.068,126.771 h2
  text "5V" at 70.561,126.746 h2
  text "RX1" at 74.25,126.746 h2
  text "B2" at 105.232,126.746 h2
  text "B2" at 112.928,126.746 h2
  text "A1" at 126.086,126.746 h2
  text "H2" at 133.579,126.746 h2
  text "H2" at 141.351,126.746 h2
  text "L2" at 144.983,126.746 h2
  text "L1" at 160.35,126.746 h2
  text "B1" at 129.743,126.721 h2
  text "L2" at 137.566,126.721 h2
  text "A1" at 118.186,126.695 h2
  text "H1" at 148.768,126.695 h2
  text "L1" at 152.603,126.695 h2
  text "H1" at 156.566,126.695 h2
  text "B1" at 122.276,126.67 h2
  text "IO" at 44.049,126.524 h1.2 r90
  text "RST" at 36.302,126.016 h1.2 r90
  text "TDO" at 38.842,126.016 h1.2 r90
  text "CLK" at 41.382,126.016 h1.2 r90
  text "3.3V" at 49.129,125.762 h1.2 r90
  text "V+" at 247.091,115.164 h2 r90
  text "V-" at 247.117,111.557 h2 r90
  text "DI12" at 247.066,107.493 h1.5 r90
  text "DI11" at 247.04,103.226 h1.5 r90
  text "DI10" at 247.04,99.085 h1.5 r90
  text "AI1" at 7.205,98.996 h2 r270
  text "COM" at 247.04,94.945 h1.5 r90
  text "AI2" at 7.112,91.719 h2 r270
  text "MT-PowerDispatch   V1.0.0" at 168.707,91.059 h4
  text "Lily" at 173.685,87.427 h3
  text "COM" at 247.091,86.919 h1.5 r90
  text "AI3" at 7.163,84.125 h2 r270
  text "DI9" at 247.091,82.956 h1.5 r90
  text "DI8" at 247.142,79.324 h1.5 r90
  text "AI4" at 7.188,76.378 h2 r270
  text "DI7" at 247.091,75.362 h1.5 r90
  text "DI6" at 247.142,71.628 h1.5 r90
  text "DI5" at 247.142,67.793 h1.5 r90
  text "ISP" at 157.683,64.313 h2
  text "12V" at 6.248,64.084 h3 r270
  text "DI4" at 247.167,64.033 h1.5 r90
  text "DI3" at 247.167,60.3 h1.5 r90
  text "GND" at 6.248,59.084 h3 r270
  text "DI2" at 247.117,56.134 h1.5 r90
  text "DI1" at 247.117,52.273 h1.5 r90
  text "IN1" at 247.117,48.819 h1.5 r90
  text "COM" at 247.117,44.044 h1.5 r90
  text "DO8" at 110.414,6.909 h2
  text "FAN" at 26.899,6.883 h2
  text "DO1" at 34.722,6.883 h2
  text "DO2" at 42.647,6.883 h2
  text "DO12" at 151.054,6.883 h2
  text "DO7" at 102.743,6.858 h2
  text "DO5" at 86.639,6.833 h2
  text "DO6" at 95.148,6.833 h2
  text "DO9" at 128.778,6.833 h2
  text "DO10" at 135.839,6.833 h2
  text "DO11" at 143.307,6.833 h2
  text "DO13" at 158.902,6.833 h2
  text "DO14" at 166.776,6.833 h2
  text "DO4" at 78.943,6.807 h2
  text "DO17" at 200.736,6.807 h2
  text "DO3" at 71.222,6.782 h2
  text "DO15" at 185.42,6.782 h2
  text "DO18" at 208.483,6.782 h2
  text "DO19" at 216.256,6.782 h2
  text "DO16" at 192.964,6.756 h2
  text "DO20" at 223.571,6.756 h2

## Text inside footprints (layer, text, board x,y; h text height)
DC1: Top Overlay "+" at 31.724,58.7 h0.8 r180
DC2: Top Overlay "+" at 31.724,69.495 h0.8 r180
EC1: Top Overlay "+" at 101.682,84.995 h0.8 r180
EC2: Top Overlay "+" at 64.572,57.989 h0.8 r180
SW1: Top Overlay "ON" at 76.333,63.456 h0.8 r90
SW2: Top Overlay "ON" at 163.92,70.007 h0.8 r180
SW4: Top Overlay "ON" at 164.036,74.585 h0.8 r180
U12: Top Overlay "+" at 186.893,69.698 h1 r180